# KiCad board rot.kicad_pcb (continued)
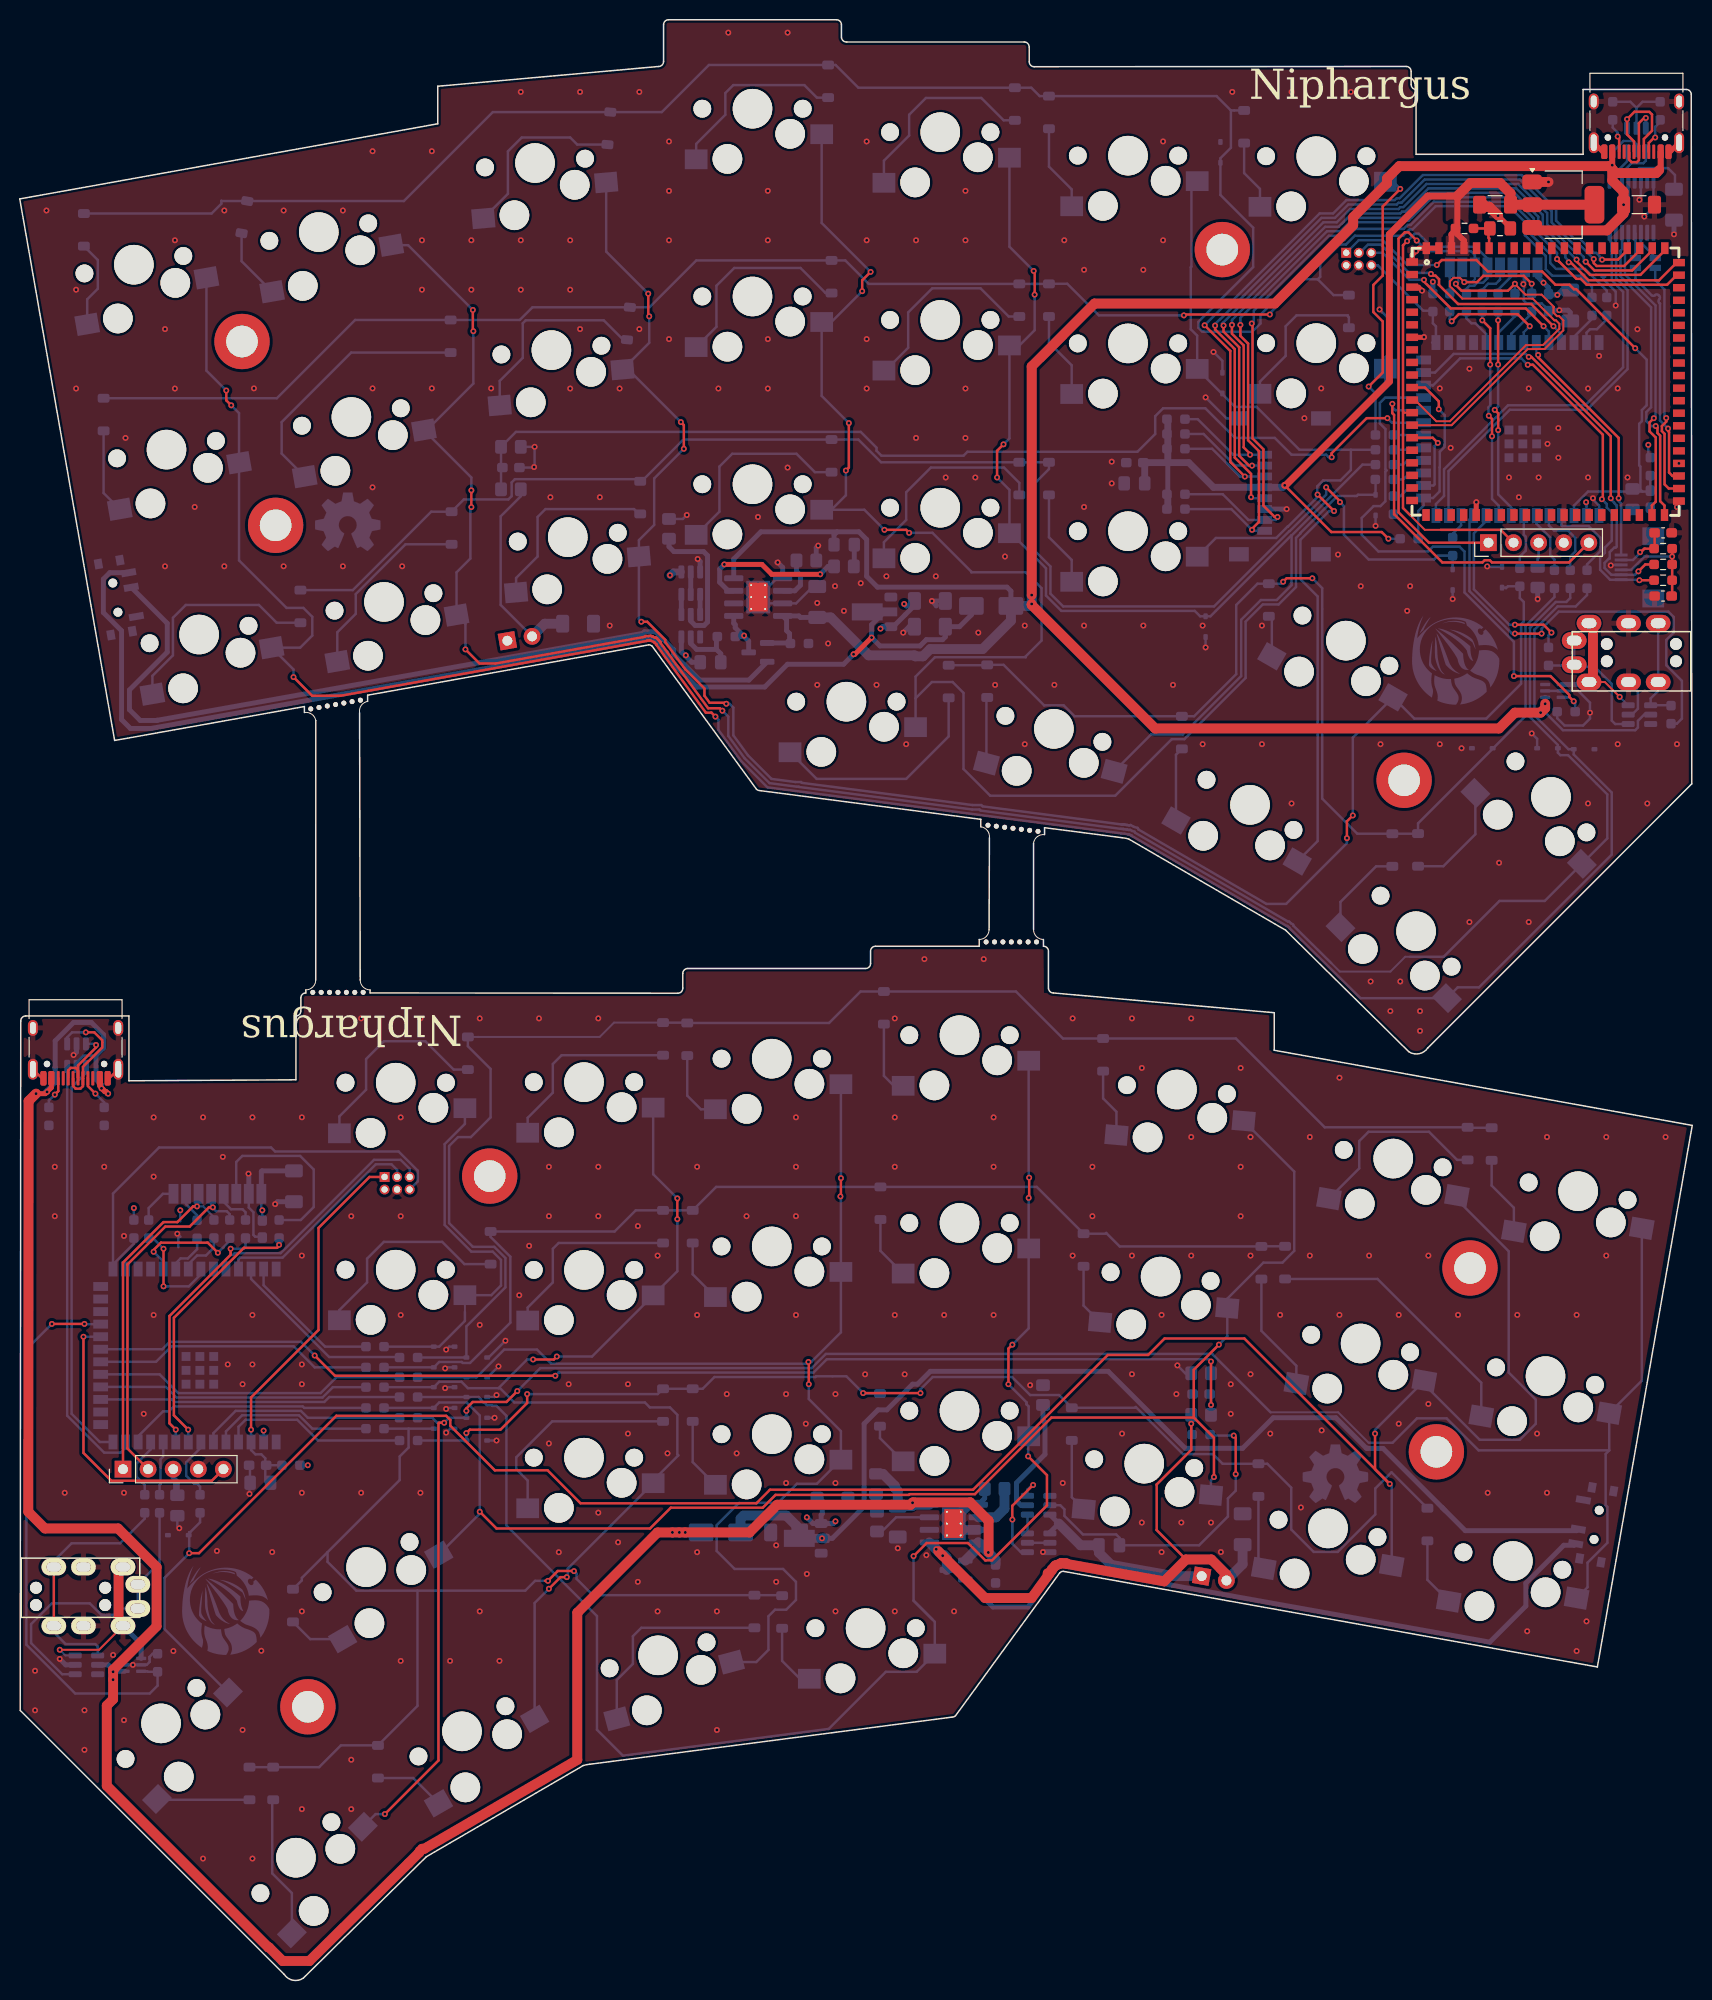
[diagram p0: board, top side]
## Routing (per net, layer and track width the routed paths; a pad name or vN(x,y) marks a point on that pad's centre or on a via; arc(x,y) is an arc through that point) (continued)
VBAT_SENSE: length 106.6
  Top w0.25: v1(138.4,158.06) 136.3,158.06 132.76,154.52 v1(132.76,154.1)
  Bottom w0.25: v1(132.76,154.1) 132.46,154.1 132.2,154.36 128.7,154.36 127,156.06 122.97,156.06 119.97,159.06 115.7,159.06 114.9,158.26 114.9,156.46 113.1,154.66 95.9,154.66 95.5,154.26 87.2,154.26 86.7,154.76 86.7,155.08 85.1,156.68 50.21,156.68 R67.1 R64.2 ; v1(138.4,158.06) 138.87,157.6 U6.21
VBAT_SENSE_d: length 122.4
  Top w0.25: v1(54.2,61.16) 31.9,61.16 v1(29.85,63.21) ; v1(120.55,58.21) 120.55,62.41
  Bottom w0.25: R65.2 v1(120.55,58.21) 120.55,59.28 120.58,59.31 ; v1(29.85,63.21) 28.46,64.6 15.17,64.6 14.42,63.85 U5.21 ; R66.1 v1(120.55,62.61) 120.32,62.84 81.67,62.84 80.32,61.49 54.52,61.49 v1(54.2,61.16)
+BATT: length 48.3
  In2.Cu w1: J10.2 51.85,135.92 53.59,134.17 53.79,134.17 63.83,135.97 73.21,135.97 v1(73.3,136.06)
  Bottom w0.25: J10.2 48.67,139.16 48.67,148.13 50.7,150.16 R64.1
  Bottom w0.5: U18.5 72.25,137.31 72.4,137.16 72.4,136.86 73.76,135.5 Q2.3 ; 72.5,135.96 73.2,135.96 v1(73.3,136.06)
  Bottom w1: C29.1 53.13,137.26 J10.2
+BATT_D: length 61.7
  Top w0.25: 118.02,42.58 115.05,45.55 115.05,50.16 118.55,53.66 118.55,56.21
  Top w1: J11.2 122.1,41.05 120.58,42.58 118.02,42.58 115.81,40.36 105.98,42.12 105.9,42.19 105.63,42.18 105.41,42.22 105.34,42.17 105.32,42.17 104.88,41.99 104.87,41.98 104.79,41.97 104.66,41.79 104.45,41.6 104.45,41.5 104.17,41.11 104.09,41.11 104.03,41.17 104.03,40.92 102.39,38.67 97.69,38.67 v1(93.4,42.96) 92.95,43.41
  Bottom w0.25: 118.55,55.21 v1(118.55,56.31) R65.1
  Bottom w1: U19.5 v1(92.74,43.61) 93.34,43.01 93.55,43.01 93.81,42.75 Q1.3 ; J11.2 123.75,42.09 C30.1
-BATT: length 32.1
  In1.Cu w1: J10.1 49.34,135.33 51,133.67 63.27,135.87 63.37,135.97 64.19,135.97 ; 67.5,134.16 v1(67.4,134.06) 66.1,134.06 64.19,135.97 ; 64.19,135.97 64.19,140.55 v1(65.8,142.16)
  Bottom w0.5: U23.6 66.95,134.41 68,133.36 C27.2
  Bottom w0.7: v1(65.8,142.16) 66.14,142.5 Q4.1
-BATT_D: length 19.4
  Bottom w0.5: Q3.1 104.25,45.31 105.15,46.21 U22.6
  Bottom w1: J11.1 116.81,40.89 110.44,42.03 109.21,43.26 C28.2 107.35,44.01 105.15,46.21
/P4/P4_3V3: length 102.5
  Top w0.25: v1(128.01,151.26) 132.73,146.54 137.82,146.54 v1(138.5,145.86)
  Top w0.6: 145.47,180.54 145.47,177.26 ; 145.47,177.26 144.88,176.67 U16.78 ; 145.47,177.26 145.47,176.69 146.15,176.01 U16.77
  Top w0.7: 145.47,180.54 142.47,180.54 138.6,176.66 138.6,161.76 128.1,151.26 v1(128.01,151.26)
  Top w1: U17.2 U17.2 C16.2 150.86,180.8 149.8,181.86 146.8,181.86 145.47,180.54
  Bottom w0.25: v1(138.5,145.86) R48.2
  Bottom w0.5: 116.18,150.36 116.18,153.54 116.2,153.56
  Bottom w0.7: C18.2 113.84,153.53 113.88,153.56 116.2,153.56 ; 116.18,150.36 116.18,148.86 ; 116.2,153.56 118.3,153.56 120.8,151.06 J9.4 127.81,151.06 v1(128.01,151.26) ; 116.2,153.56 116.18,153.59 116.18,157.96
/P4/SD_CLK: length 74.9
  Top w0.25: v1(159.28,174.16) 159.28,173.76 159.57,173.46 162.35,173.46 163.93,175.04 U16.63 ; v1(120.96,167.43) 120.96,167.04 122.95,165.05 122.95,154.08 124.6,152.43 v1(124.6,150.06)
  Bottom w0.25: v1(159.28,174.16) 157.68,175.76 157.13,175.76 155.02,177.88 155.02,179.01 151.81,182.21 142.17,182.21 139.82,179.86 139.52,179.86 139.33,179.68 134.44,179.68 133.09,178.33 131.73,178.33 121.49,168.08 121.46,168.08 120.96,167.59 v1(120.96,167.43) ; v1(124.6,150.06) 124.7,149.96 J9.5
/P4/SD_CMD: length 80.7
  Top w0.25: v1(119.9,167.46) 122.5,164.86 122.5,153.63 v1(123.97,152.15) ; v1(160.13,174.1) 160.14,174.11 161.73,174.11 162.66,175.04 U16.64
  Bottom w0.25: 117.82,154.96 120.66,154.96 123.47,152.15 v1(123.97,152.15) 123.99,152.16 J9.3 ; v1(119.9,167.46) 122.44,170 122.76,170 131.55,178.78 132.9,178.78 134.25,180.13 139.15,180.13 139.33,180.31 139.63,180.31 141.98,182.66 152,182.66 155.47,179.2 155.47,178.06 157.32,176.21 157.86,176.21 159.29,174.79 159.54,174.79 159.9,174.42 159.9,174.04 160.13,174.27 v1(160.13,174.1)
/P4/SD_DATA0: length 85.8
  Top w0.25: v1(155.57,174.16) 155.72,174.01 155.72,173.94 155.78,173.88 155.81,173.88 157.52,172.16 157.96,172.16 158.56,171.56 166.71,171.56 167.68,172.53 167.9,172.53 ; v1(127.28,148.06) 127,148.06 125.85,149.21 125.85,154.91 124.75,156.01 124.75,167.56 v1(124.67,167.64)
  Bottom w0.25: v1(124.67,167.64) 124.88,167.85 124.88,168.93 132.48,176.53 133.84,176.53 135.19,177.88 140.08,177.88 140.08,177.88 140.26,178.06 140.57,178.06 142.92,180.41 151.07,180.41 153.22,178.26 153.22,177.13 155.57,174.78 v1(155.57,174.16) ; 117.82,150.36 121.74,150.36 124.34,147.76 J9.7 127.1,147.76 127.28,147.94 v1(127.28,148.06)
/P4/SD_DATA1: length 86.4
  Top w0.25: 124.7,146.86 125.4,147.56 125.4,154.73 124.3,155.83 124.3,165.61 123.52,166.39 v1(123.52,167.5) ; v1(156.74,173.83) 156.93,173.83 158.75,172.01 165.88,172.01 167.68,173.8 U16.60
  Bottom w0.25: J9.8 124.8,146.66 v1(124.7,146.76) 122.6,148.86 117.82,148.86 ; v1(156.74,173.83) 156.74,174 156.41,174.33 156.41,174.58 153.67,177.32 153.67,178.45 151.25,180.86 142.73,180.86 140.38,178.51 140.08,178.51 139.89,178.33 135,178.33 133.65,176.98 132.29,176.98 123.52,168.21 v1(123.52,167.5)
/P4/SD_DATA2: length 79
  Top w0.25: v1(122.67,167.5) 122.67,166.61 123.85,165.42 123.85,155.11 124.6,154.36 ; v1(157.54,174.11) 157.64,174.01 157.64,173.82 158.9,172.56 159.5,172.56 164,172.56 166.47,175.04 U16.61
  Bottom w0.25: J9.1 v1(124.5,154.36) 122.8,154.36 119.2,157.96 117.82,157.96 ; v1(122.67,167.5) 122.67,167.99 132.11,177.43 133.46,177.43 134.81,178.78 139.71,178.78 139.89,178.96 140.19,178.96 142.54,181.31 151.44,181.31 154.12,178.64 154.12,177.5 157.52,174.11 v1(157.54,174.11)
/P4/SD_DATA3: length 80.2
  Top w0.25: 124.4,153.26 123.4,154.26 123.4,165.24 121.82,166.82 v1(121.82,167.44) ; U16.62 165.2,175.04 163.18,173.01 159.34,173.01 v1(158.47,173.89)
  Bottom w0.25: 117.82,156.46 119.8,156.46 123,153.26 v1(124.7,153.26) J9.2 ; 121.65,167.63 121.71,167.63 121.82,167.53 v1(121.82,167.44) 121.82,167.78 131.92,177.88 133.28,177.88 134.63,179.23 139.52,179.23 139.7,179.41 140.01,179.41 142.36,181.76 151.63,181.76 154.57,178.82 154.57,177.69 157.53,174.73 157.9,174.73 158.27,174.36 158.27,173.89 v1(158.47,173.89)
/right/CE_1: length 27.7
  Top w0.25: v1(17.05,55.71) 15.6,57.16 15.6,67.03 22.68,74.11 26.05,74.11 26.25,74.31 v1(26.25,74.41)
  Bottom w0.25: v1(17.05,55.71) 17.06,55.7 U5.8 ; 26.25,75.19 v1(26.25,74.41)
/right/col0: length 21
  Bottom w0.25: U5.6 19.6,55.36 21.85,57.61 28.45,57.61 29.15,56.91 R12.2
/right/col1: length 6.7
  Bottom w0.25: R13.2 18.25,49.94 17.95,50.24 17.65,50.24 16.85,51.04 16.85,52.41 18.33,53.89 U5.7
/right/col2: length 25
  Bottom w0.25: U5.12 11.98,55.04 14.5,57.56 15.1,57.56 15.6,58.06 28.63,58.06 28.78,57.91 R19.2
/right/col3: length 30.6
  Bottom w0.25: R22.2 31.32,59.01 30.82,58.51 15.67,58.51 15.42,58.77 U5.17
/right/col4: length 31.7
  Bottom w0.25: R24.2 32.05,61.01 30.45,59.41 16.05,59.41 14.15,61.31 U5.19
/right/col5: length 27.7
  Bottom w0.25: R26.2 31.68,60.01 30.63,58.96 15.86,58.96 14.78,60.04 U5.18
/right/col6: length 14.6
  Bottom w0.25: U5.39 24.68,70.33 30.89,64.11 R28.2
/right/CS_DPL: length 29.3
  Top w0.25: J4.5 19.43,50.54 9.27,50.54 6.45,53.36 v1(6.45,65.11)
  Bottom w0.25: U5.22 6.45,65.12 v1(6.45,65.11)
/right/CSN_1: length 25
  Top w0.25: v1(15.79,55.71) 15.15,56.35 15.15,67.21 21.34,73.4 v1(21.34,74.02)
  Bottom w0.25: v1(15.79,55.71) U5.9 ; 22.85,75.19 22.85,74.21 22.65,74.02 v1(21.34,74.02)
/right/EN: length 39.8
  Top w0.25: J2.1 35.39,81.28 30.23,76.13 30.23,65.8 23.41,58.97 v1(23.41,55.71)
  Bottom w0.25: v1(23.41,55.71) U5.3 23.41,53.65 23.85,53.21 24.45,53.21 24.85,52.81 24.85,52.11 ; 24.85,52.11 26.35,52.11 ; 24.85,52.11 24.85,50.41
/right/IO0: length 47.6
  Bottom w0.25: 39.46,80.01 40.28,80.84 40.28,81.91 38.33,83.86 25.83,83.86 25.43,84.26 14.1,84.26 9.44,79.6 U5.27 9.44,72.43 11.55,74.54 R33.1
/right/IRQ_1: length 10.6
  Top w0.25: v1(14.55,70.21) v1(14.55,74.01)
  Bottom w0.25: v1(14.55,70.21) 17.11,70.21 18.33,71.43 U5.34 ; v1(14.55,74.01) 13.46,75.1 R40.1
/right/LINK_5V_EN: length 57.2
  Top w0.25: v1(3.25,66.41) v1(6.55,66.41)
  Bottom w0.25: U5.23 6.57,66.39 v1(6.55,66.41) ; U11.3 12.9,31.26 12.95,31.21 R43.1 13.95,29.81 13.15,29.01 5.61,29.01 0.67,33.96 0.67,63.83 v1(3.25,66.41)
/right/LINK_RX: length 6.3
  Bottom w0.25: R44.2 12.65,50.11 11.81,50.95 11.81,52.28 13.25,53.71 U5.11
/right/LINK_TX: length 5.5
  Bottom w0.25: R46.2 14.15,50.11 14.25,50.21 14.25,52.71 14.52,52.98 U5.10
/right/MISO: length 3.2
  Bottom w0.25: 17.95,76.81 17.95,77.41 16.83,78.53 U7.7
/right/MOSI: length 34.1
  Top w0.25: J4.1 10.45,72.61 14.55,76.71 15.95,76.71 17.54,78.3 v1(17.94,78.3)
  Bottom w0.2: 19.65,77.21 18.55,78.3 v1(17.94,78.3)
  Bottom w0.25: 19.65,76.84 19.65,77.21 ; 18.1,78.76 U7.6
/right/row0: length 19.3
  Bottom w0.25: R3.1 38.38,63.06 31.31,63.06 23.41,70.96 U5.38
/right/row1: length 28.4
  Bottom w0.25: R5.1 29.85,62.01 27.71,64.15 15.36,64.15 13.79,62.58 U5.20
/right/row2: length 19
  Bottom w0.25: R8.1 30.17,54.61 28.07,56.71 22.85,56.71 22.14,56 U5.4
/right/row3: length 16.5
  Bottom w0.25: R10.1 29.61,55.81 28.26,57.16 22.5,57.16 20.87,55.53 U5.5
/right/RX: length 24.9
  Bottom w0.25: U5.36 20.87,72.96 21.3,73.4 21.6,73.4 21.77,73.57 26.4,73.57 35.85,83.01 38.55,83.01 39.46,82.1 J2.5
/right/SCK: length 36.8
  Top w0.25: J4.2 10.9,53.8 10.9,72.43 14.73,76.26 17.2,76.26 19.14,78.2 v1(19.54,78.2)
  Bottom w0.25: U7.5 19.37,78.33 19.88,77.81 20.95,77.81 21.25,77.51 21.25,76.84
/right/TIP_5V: length 19.6
  Top w0.2: J5.T 8.02,33.44 v1(4.05,33.44)
  Top w1: J5.T 10,36.31 10,41.37 J5.T
  Bottom w0.2: U10.3 4.62,32.86 v1(4.05,33.44)
  Bottom w0.5: J5.T 12.28,34.03 12.28,32.56
/right/TX: length 22
  Bottom w0.25: J2.3 38.19,81.99 37.61,82.56 36.03,82.56 26.59,73.12 22.29,73.12 22.14,72.96 U5.37
/s3/CE_1: length 21.6
  Top w0.25: v1(149.26,158.9) 149.61,158.55 v1(149.61,156.85) ; v1(149.6,167.96) v1(149.6,163.49)
  Bottom w0.25: v1(149.61,156.85) 149.61,150.35 150.93,149.03 U6.8 ; 149.6,168.94 v1(149.6,167.96) ; v1(149.26,158.9) 149.6,159.25 v1(149.6,163.49)
/s3/col0: length 9.3
  Bottom w0.25: U6.4 156.01,147.21 156.09,147.14 158.77,147.14 159.96,145.95 159.96,144.62 158.6,143.26 R11.2
/s3/col1: length 7.7
  Bottom w0.25: U6.5 154.74,147.21 155.26,146.69 156.68,146.69 157.41,145.95 157.41,144.58 156.9,144.06 R14.2
/s3/col2: length 5.7
  Bottom w0.25: R20.2 151.8,144.06 152.4,144.66 152.4,146.06 152.2,146.26 U6.7
/s3/col3: length 3.3
  Bottom w0.25: R21.2 140,151.86 140.66,152.52 U6.17
/s3/col4: length 3.2
  Bottom w0.25: U6.18 140.43,153.79 140,153.36 R23.2
/s3/col5: length 3.1
  Bottom w0.25: R25.2 140.3,154.86 140.5,155.06 U6.19
/s3/col6: length 3.1
  Bottom w0.25: U6.20 142.03,156.36 R27.2
/s3/CS_DPL: length 37.6
  Top w0.25: J12.5 156.78,143.46 148.98,143.46 148.76,143.69 148.24,143.69 148.02,143.46 143.96,143.46 139.07,148.35 139.07,158.39 138.9,158.56 v1(138.9,159.51)
  Bottom w0.25: U6.22 139.21,158.87 138.9,159.17 v1(138.9,159.51)
/s3/CSN_1: length 24.2
  Top w0.25: v1(148.99,156.23) 148.99,157.98 v1(148.66,158.3) ; v1(148.8,163.49) 148.8,167.16 v1(148,167.96)
  Bottom w0.25: 148,168.94 v1(148,167.96) ; v1(148.66,158.3) 148.63,158.33 148.63,159.16 148.8,159.33 ; U6.9 149.66,149.21 148.99,149.89 v1(148.99,156.23) ; 148.8,159.33 148.8,161.96 ; 148.8,159.33 v1(148.8,163.49)
/s3/EN: length 61
  Top w0.25: v1(163.48,165.14) 157.5,171.11 157.28,171.11 156.83,171.56 155.4,171.56 154.05,172.91 148.55,172.91 147.4,174.06 143.9,174.06 v1(143.4,173.56)
  Bottom w0.25: U6.3 157.28,149.21 158.71,150.64 164.2,150.64 ; 164.2,150.64 164,150.84 164,153.16 163.88,153.29 163.88,157.49 164.15,157.76 164.15,158.88 164.63,159.36 164.63,163.98 v1(163.48,165.14) ; 164.2,150.64 165,150.64 165,152.14 ; J1.1 135.5,176.07 137.93,176.07 140.44,173.56 v1(143.4,173.56)
/s3/IO0: length 11.9
  Bottom w0.25: J1.6 137.44,173.53 142.03,168.94 143,168.94 143,167.66 143.31,167.35 U6.27 142.92,165.71
/s3/IRQ_1: length 11.8
  Top w0.25: v1(152.8,167.36) 151.57,168.59 145.62,168.59 v1(144.9,167.86)
  Bottom w0.25: 144.7,168.94 144.7,168.06 v1(144.9,167.86) ; v1(152.8,167.36) 152.2,166.76 U6.34
/s3/LINK_5V_EN: length 55.7
  Top w0.25: v1(157.25,129.41) 156.8,129.86 156.8,130.06 154.9,131.96 v1(151.2,131.96)
  Bottom w0.25: R42.1 157.4,129.26 v1(157.25,129.41) 156.85,129.81 156.04,129.81 ; U6.23 138.18,160.14 137.64,159.6 137.64,157.53 138.2,156.96 138.2,152.89 138.31,152.77 138.19,152.65 138.19,149.65 137.7,149.16 137,149.16 135.8,147.96 135.8,146.26 137.49,144.58 142.53,144.58 143.01,145.06 145.7,145.06 146.2,144.56 146.2,140.43 151.2,135.43 v1(151.2,131.96) 151.1,131.86
/s3/LINK_RX: length 44.3
  Top w0.25: v1(154,136.26) v1(151.3,136.26)
  Bottom w0.25: v1(151.3,136.26) 151,136.26 146.7,140.56 146.7,147.79 U6.11 ; R45.2 167.69,127.15 168.2,127.66 168.2,131.48 166.62,133.06 166.62,135.62 167.38,136.37 167.38,137.94 166.82,138.49 155.73,138.49 154,136.75 v1(154,136.26)
/s3/LINK_TX: length 19.3
  Top w0.25: v1(155,136.36) 154.2,137.16 v1(151.3,137.16)
  Bottom w0.25: v1(151.3,137.16) 150.74,137.16 147.15,140.75 147.15,146.41 148.39,147.65 U6.10 ; R47.2 154.7,136.06 v1(155,136.36)
/s3/row0: length 4
  Bottom w0.25: U6.39 158.55,166.71 158.9,167.06 159.6,167.06 160.6,168.06 R4.1
/s3/row1: length 3.5
  Bottom w0.25: U6.38 157.28,166.29 159.1,168.11 R6.1
/s3/row2: length 2.6
  Bottom w0.25: U6.12 145.85,147.21 145,146.36 R7.1
/s3/row3: length 6.3
  Bottom w0.25: R9.1 155.3,143.76 154.88,144.19 154.88,145.99 153.47,147.39 U6.6
/s3/RX: length 22.5
  Top w0.25: v1(154.2,167.36) 152.4,169.16 144.82,169.16 142.1,171.88 v1(142.1,172.06)
  Bottom w0.25: U6.36 154.74,166.82 v1(154.2,167.36) ; J1.5 137.9,174.8 140.64,172.06 v1(142.1,172.06)
/s3/TIP_5V: length 14.1
  Top w0.2: v1(161.9,129.86) 160.4,131.36 J6.T
  Top w1: 158.8,137.31 159.2,136.91 159.2,131.76 J6.T
  Bottom w0.2: v1(161.9,129.86) 162.75,129.01 U9.3
  Bottom w0.5: U12.1 158.55,131.11 J6.T
/s3/TP_NRST: length 5.9
  Top w0.25: 164.03,144.5 164.3,144.76 ; 164.03,144.5 v1(163.97,144.5) ; 164.03,144.5 164.4,144.86 R35.2 165.44,144.91 C5.1
  Bottom w0.25: v1(163.97,144.5) 163.97,144.43 163.25,143.71 J3.2
/s3/TP_RDY: length 25.1
  Top w0.25: v1(161.8,149.96) 161.8,156.06 153.66,164.21 v1(153.66,164.46)
  Bottom w0.2: v1(153.66,164.46) 153.47,164.64 U6.35
  Bottom w0.25: J3.1 162.05,149.41 161.8,149.66 v1(161.8,149.96)
/s3/TP_SCL: length 43.1
  Top w0.25: R32.2 164.5,143.26 v1(163.8,142.56) ; v1(161,149.96) 161,156.23 152.96,164.26 v1(152.7,164.26)
  Bottom w0.25: v1(152.7,164.26) 152.4,164.56 145.1,164.56 143.22,162.68 U6.25 ; v1(161,149.96) 161,149.86 161.35,149.51 161.35,149.48 161.6,149.23 161.6,145.06 161.5,144.96 161.35,144.96 160.9,144.51 160.9,143.86 160.82,143.86 160.38,143.42 160.38,142.9 161.07,142.21 J3.5 163.45,142.21 v1(163.8,142.56)
/s3/TP_SDA: length 43
  Top w0.25: v1(160.1,149.86) 160.2,149.96 160.2,156.39 153.13,163.46 v1(152.6,163.46) ; v1(163.9,141.66) R29.2
  Bottom w0.25: v1(152.6,163.46) 151.95,164.11 145.75,164.11 143,161.36 142.96,161.41 U6.24 ; v1(160.1,149.86) 160.59,149.37 160.59,149.03 161.1,148.53 161.1,145.66 160.41,144.97 160.41,144.43 159.93,143.95 159.93,142.72 160.93,141.71 J3.6 163.85,141.71 v1(163.9,141.66)
/s3/TX: length 25.9
  Top w0.25: v1(155.2,167.36) 152.95,169.61 145.55,169.61 143.59,171.57 143.62,171.6 143.62,172.12 143.26,172.49 142.8,172.49 v1(142.8,172.66)
  Bottom w0.25: J1.3 135.6,174.8 136.43,175.62 137.74,175.62 140.6,172.76 142.7,172.76 v1(142.8,172.66) ; v1(155.2,167.36) 156.01,166.55 U6.37
/USB/DPU+: length 4.7
  Bottom w0.25: U13.11 162.15,182.91 163.1,183.86 164.3,183.86 164.55,184.11 U14.4
/USB/DPU-: length 3.5
  Bottom w0.25: U14.6 162.65,184.05 161.51,182.91 U13.10
CS_P4: length 19.2
  Top w0.25: U16.11 142.2,161.16 143.6,159.76 v1(143.6,158.96)
  Bottom w0.25: 144.2,155.38 144.2,155.46 ; 144.2,155.38 144.2,158.36 v1(143.6,158.96) ; 144.2,155.38 144.2,155.35 144.18,155.32 144.18,155.14 143.71,154.67 143.71,153.1 143.68,153.08 143.68,150.65 143.01,149.98 U6.15 142.06,149.22 141.51,148.68 R48.1
D+_p4: length 31.1
  Top w0.25: U16.40 166.44,149.22 166,149.66 166,156.29 165.73,156.57 165.73,157.09 v1(165.55,157.26)
  Bottom w0.25: U13.6 162.15,175.17 162,175.03 162,174.92 161.99,174.91 161.99,172.41 162.58,171.82 162.58,171.79 165.08,169.28 165.08,159.16 164.6,158.68 164.6,157.76 165.1,157.26 v1(165.55,157.26)
D+_s3: length 41.6
  Bottom w0.25: U13.8 160.99,176.72 160.99,175.93 161.06,175.86 161.06,174.99 161.09,174.96 161.09,172.03 161.68,171.45 161.68,171.41 162.25,170.84 162.25,163.21 158.4,159.36 150.6,159.36 144.13,152.89 144.13,150.19 143.31,149.37 U6.14
D+_s3_d: length 41.1
  Bottom w0.25: U5.14 8.1,54.46 5.25,57.32 5.25,90.36 6.7,91.81 U15.4
D-_p4: length 30.7
  Top w0.25: U16.39 165.17,149.23 165.55,149.61 165.55,156.1 164.93,156.73 164.93,157.63 v1(165.36,158.06)
  Bottom w0.25: v1(165.36,158.06) 165.4,158.06 165.53,158.19 165.53,169.47 163.03,171.97 163.03,172.01 162.44,172.59 162.44,174.73 162.78,175.07 U13.5
D-_s3: length 41.2
  Bottom w0.25: U6.13 144.58,152.71 150.79,158.91 158.59,158.91 162.7,163.03 162.7,171.03 162.13,171.6 162.13,171.64 161.54,172.22 161.54,175.1 161.55,175.11 161.55,175.14 161.51,175.18 U13.7
D-_s3_d: length 43.6
  Bottom w0.25: U5.13 10.71,53.88 10.21,53.39 8.54,53.39 4.8,57.13 U15.6
IRQ_P4: length 11.8
  Top w0.25: U16.15 142.98,156.08 v1(143.5,155.56)
  Bottom w0.25: v1(143.5,155.56) 143.18,155.24 143.18,151.36 143.06,151.25 U6.16 140.78,151.25 139.71,150.18 R49.2
J_PROG_P4_N: length 3.2
  Bottom w0.25: U13.3 164.05,175.81 165.5,174.36 JP2.2
J_PROG_P4_P: length 2.6
  Bottom w0.25: U13.4 163.5,176.74 JP1.2
MISO_L: length 36.9
  Top w0.2: v1(151.3,171.66) 151.3,171.63 152.37,170.56 154,170.56 155.26,169.3 155.2,169.24 155.2,168.74 155.55,168.39 155.78,168.39 156.2,167.96 156.2,166.95 154.31,165.06 153.75,165.06 153.74,165.06 152.59,165.06 144.89,157.35 U16.14
  Top w0.25: v1(145.32,171.66) 145.32,171.54 145.9,170.96 150.6,170.96 v1(151.3,171.66)
  Bottom w0.2: U8.7 145.58,172.92 145.58,171.85 145.51,171.85 v1(145.32,171.66)
  Bottom w0.25: 151.3,170.56 v1(151.3,171.66)
MOSI_L: length 94.5
  Top w0.2: v1(146.18,171.83) 145.74,172.26 145.08,172.26 144.72,171.91 144.72,171.41 145.98,170.16 153.1,170.16 155.3,167.96 155.45,167.96 155.8,167.61 155.8,167.11 154.15,165.46 153.58,165.46 153.57,165.46 152.43,165.46 144.72,157.75 143.34,157.75 141.21,159.89 140.9,159.89
  Top w0.25: v1(146.18,171.83) 147.46,171.83 148.1,172.46 152.2,172.46 v1(153,171.66) ; v1(141.36,176.03) 140.53,176.86 140.15,176.86 139.53,176.23 139.53,148.54 142.6,145.46 J12.1
  Bottom w0.2: v1(146.18,171.83) 146.24,171.89 147.01,171.89 147.25,172.13 U8.6
  Bottom w0.25: v1(141.36,176.03) 142.43,174.96 146.86,174.96 147.25,174.58 U8.6 ; 153,170.59 v1(153,171.66) ; v1(146.18,171.83) 146.35,172
SCK_L: length 55.8
  Top w0.2: U16.13 140.12,158.62 139.97,158.76 ; 140.69,148.26 142.19,146.76 143.8,146.76
  Top w0.25: J12.2 149.86,146.76 143.8,146.76 ; v1(140.39,175.97) 139.97,175.55 139.97,148.97 140.69,148.26
  Bottom w0.25: 141.57,176.71 142.58,175.7 142.58,175.45 142.62,175.41 147.31,175.41 148.52,174.21 U8.5 148.52,172.22 148.06,171.76 147.49,171.76 147.19,171.46 146.7,171.46 146.4,171.16 146.4,170.59 ; 141.57,176.71 141.3,176.71 ; 141.57,176.71 141.14,176.71 v1(140.39,175.97)
Net-(D1-A): length 8.1
  Bottom w0.25: SW2.2 151.2,78.16 148.95,80.41 D1.2
Net-(D1-K): length 157.5
  Bottom w0.2: 46.51,95.45 46.35,95.45 ; 46.35,95.45 D45.1 ; 46.35,95.45 58.68,95.45 60.13,96.9 D37.1
  Bottom w0.25: D45.1 45.35,94.51 47.65,92.21 47.65,87.31 45.65,85.31 44.35,85.31 43.45,84.41 43.45,76.61 45.85,74.21 48.01,74.21 49.15,73.08 49.15,70.11 45.2,66.16 D118.1 R3.2 ; D37.1 67.51,96.9 D29.1 81.9,96.86 85.08,100.05 D22.1 100.81,100.05 105.57,95.29 D15.1 123.07,95.29 132.05,86.31 D10.1 146.56,86.26 D1.1
Net-(D2-A): length 8.9
  Bottom w0.25: SW1.2 6.82,170.09 7.9,171.16 7.9,174.06 D2.2
Net-(D3-A): length 8.6
  Bottom w0.25: SW3.2 8.48,150.49 D3.2
Net-(D4-A): length 27.6
  Bottom w0.25: SW4.2 147.9,60.46 137.4,70.96 D4.2
Net-(D5-A): length 7
  Bottom w0.25: SW6.2 142.45,40.52 D5.2
Net-(D6-A): length 22.8
  Bottom w0.25: SW5.2 13.42,131.98 15.5,134.06 15.5,137.86 16.8,139.16 24.2,139.16 26,137.36 D6.2
Net-(D7-A): length 14.4
  Bottom w0.25: SW7.2 27.54,8.82 25.55,10.81 25.55,18.16 D7.2
Net-(D8-A): length 9.3
  Bottom w0.25: SW8.2 133.65,109.11 137.25,112.71 D8.2
Net-(D9-A): length 7.2
  Bottom w0.25: SW10.2 22.45,173.95 D9.2
Net-(D10-A): length 19.6
  Bottom w0.25: D10.2 145.45,83.01 142.6,85.86 136.49,85.86 135.55,84.91 135.55,82.15 SW9.2
Net-(D11-A): length 26.5
  Bottom w0.25: SW12.2 26.5,154.48 26.5,157.66 33.54,164.7 D11.2
Net-(D12-A): length 12
  Bottom w0.25: SW11.2 129.19,62.17 125.65,65.71 D12.2
Net-(D13-A): length 19.4
  Bottom w0.25: D13.2 39.04,145.3 34,140.26 34,138.26 32.13,136.4 SW14.2
Net-(D14-A): length 7.5
  Bottom w0.25: D14.2 125.35,42.21 SW13.2
Net-(D15-A): length 7
  Bottom w0.25: D15.2 109.63,89.23 110.98,87.88 SW18.2
Net-(D16-A): length 18.8
  Bottom w0.25: SW17.2 49.4,180.77 49.4,185.06 50.8,186.46 55.7,186.46 56.42,185.75 D16.2
Net-(D17-A): length 6.3
  Bottom w0.25: SW20.2 107.65,68.27 D17.2
Net-(D18-A): length 20.8
  Bottom w0.25: SW19.2 48.57,161.83 50.9,164.16 50.9,167.66 51.2,167.96 59.1,167.96 61.07,166 D18.2
Net-(D19-A): length 7.5
  Bottom w0.25: SW22.2 106.46,48.87 D19.2
Net-(D20-A): length 19.3
  Bottom w0.25: SW21.2 50.22,141.89 52.4,144.06 52.4,148.06 53.2,148.86 62.16,148.86 62.64,148.38
Net-(D21-A): length 19.2
  Bottom w0.25: SW26.2 68.45,185.81 71.4,188.76 71.4,190.96 72.2,191.76 79.4,191.76 80.66,190.5 D21.2
Net-(D22-A): length 7.6
  Bottom w0.25: D22.2 87.45,91.51 88.45,90.51 SW25.2
Net-(D23-A): length 6.4
  Bottom w0.25: D23.2 87.1,73.81 SW28.2
Net-(D24-A): length 20.5
  Bottom w0.25: D24.2 81.54,170.73 79,173.26 72.3,173.26 70.5,171.46 70.5,167.31 SW27.2
Net-(D25-A): length 4.5
  Bottom w0.25: SW29.2 87.05,54.86 D25.2
Net-(D26-A): length 20.5
  Bottom w0.25: SW30.2 70.8,148.61 70.8,153.16 72.1,154.46 78.6,154.46 80.46,152.6 D26.2
Net-(D27-A): length 6.8
  Bottom w0.25: SW32.2 78.95,30.51 77.15,32.31 D27.2
Net-(D28-A): length 22.8
  Bottom w0.25: D28.2 94,125.86 89.7,121.56 80.64,121.56 SW31.2
Net-(D29-A): length 7.5
  Bottom w0.25: SW34.2 68.93,88.13 67.55,89.51 D29.2
Net-(D30-A): length 20.3
  Bottom w0.25: D30.2 99.56,188.2 97.3,190.46 91.7,190.46 90,188.76 90,186.66 87.45,184.11 SW33.2
Net-(D31-A): length 6.4
  Bottom w0.25: SW36.2 68.1,71.43 D31.2
Net-(D32-A): length 20.4
  Bottom w0.25: SW35.2 87.6,162.88 89.9,165.18 89.9,168.76 92.34,171.2 97.23,171.2 100.08,168.35 D32.2
Net-(D33-A): length 22
  Bottom w0.25: SW38.2 87.45,145.51 89.7,147.76 89.7,150.56 92.2,153.06 99.6,153.06 101.15,151.51 D33.2
Net-(D34-A): length 7.4
  Bottom w0.25: D34.2 68.1,52.43 SW37.2
Net-(D35-A): length 21.7
  Bottom w0.25: SW39.2 60.42,30.38 62.05,32.01 62.05,34.81 62.9,35.66 D35.2
Net-(D36-A): length 6.7
  Bottom w0.25: SW40.2 97.82,129.72 D36.2
Net-(D37-A): length 19.5
  Bottom w0.25: D37.2 54.83,93.6 53.95,92.71 53.95,89.81 51.4,87.26 SW42.2
Net-(D38-A): length 8.8
  Bottom w0.25: SW41.2 106.45,181.21 104.15,183.51 D38.2
Net-(D39-A): length 19.7
  Bottom w0.25: D39.2 54.53,74.6 53.95,74.01 53.95,70.61 51.4,68.06 SW44.2
Net-(D40-A): length 8.8
  Bottom w0.25: SW43.2 106.45,163.41 104.15,165.71 D40.2
Net-(D41-A): length 9.7
  Bottom w0.25: SW45.2 106.45,143.71 104.15,146.01 D41.2
Net-(D42-A): length 22
  Bottom w0.25: SW46.2 51.4,50.56 50.25,51.71 50.25,52.91 53.88,56.55 D42.2
Net-(D43-A): length 7.5
  Bottom w0.25: D43.2 117,124 SW47.2
Net-(D44-A): length 7.2
  Bottom w0.25: SW48.2 39.81,20.46 D44.2
Net-(D45-A): length 20.9
  Bottom w0.25: SW50.2 32.35,87.41 35.05,90.11 35.05,93.21 36.85,95.01 41.05,95.01 43.91,92.15 D45.2
Net-(D46-A): length 7.1
  Bottom w0.25: D46.2 123.9,182.86 125.5,181.26 SW49.2
Net-(D47-A): length 21.5
  Bottom w0.25: SW51.2 32.35,67.81 35.15,70.61 35.15,73.01 36.85,74.71 42.75,74.71 45,72.46 D47.2